# Altium PCB WhiteRHINO_0v1.PcbDoc (part 3 of 10) (continued)
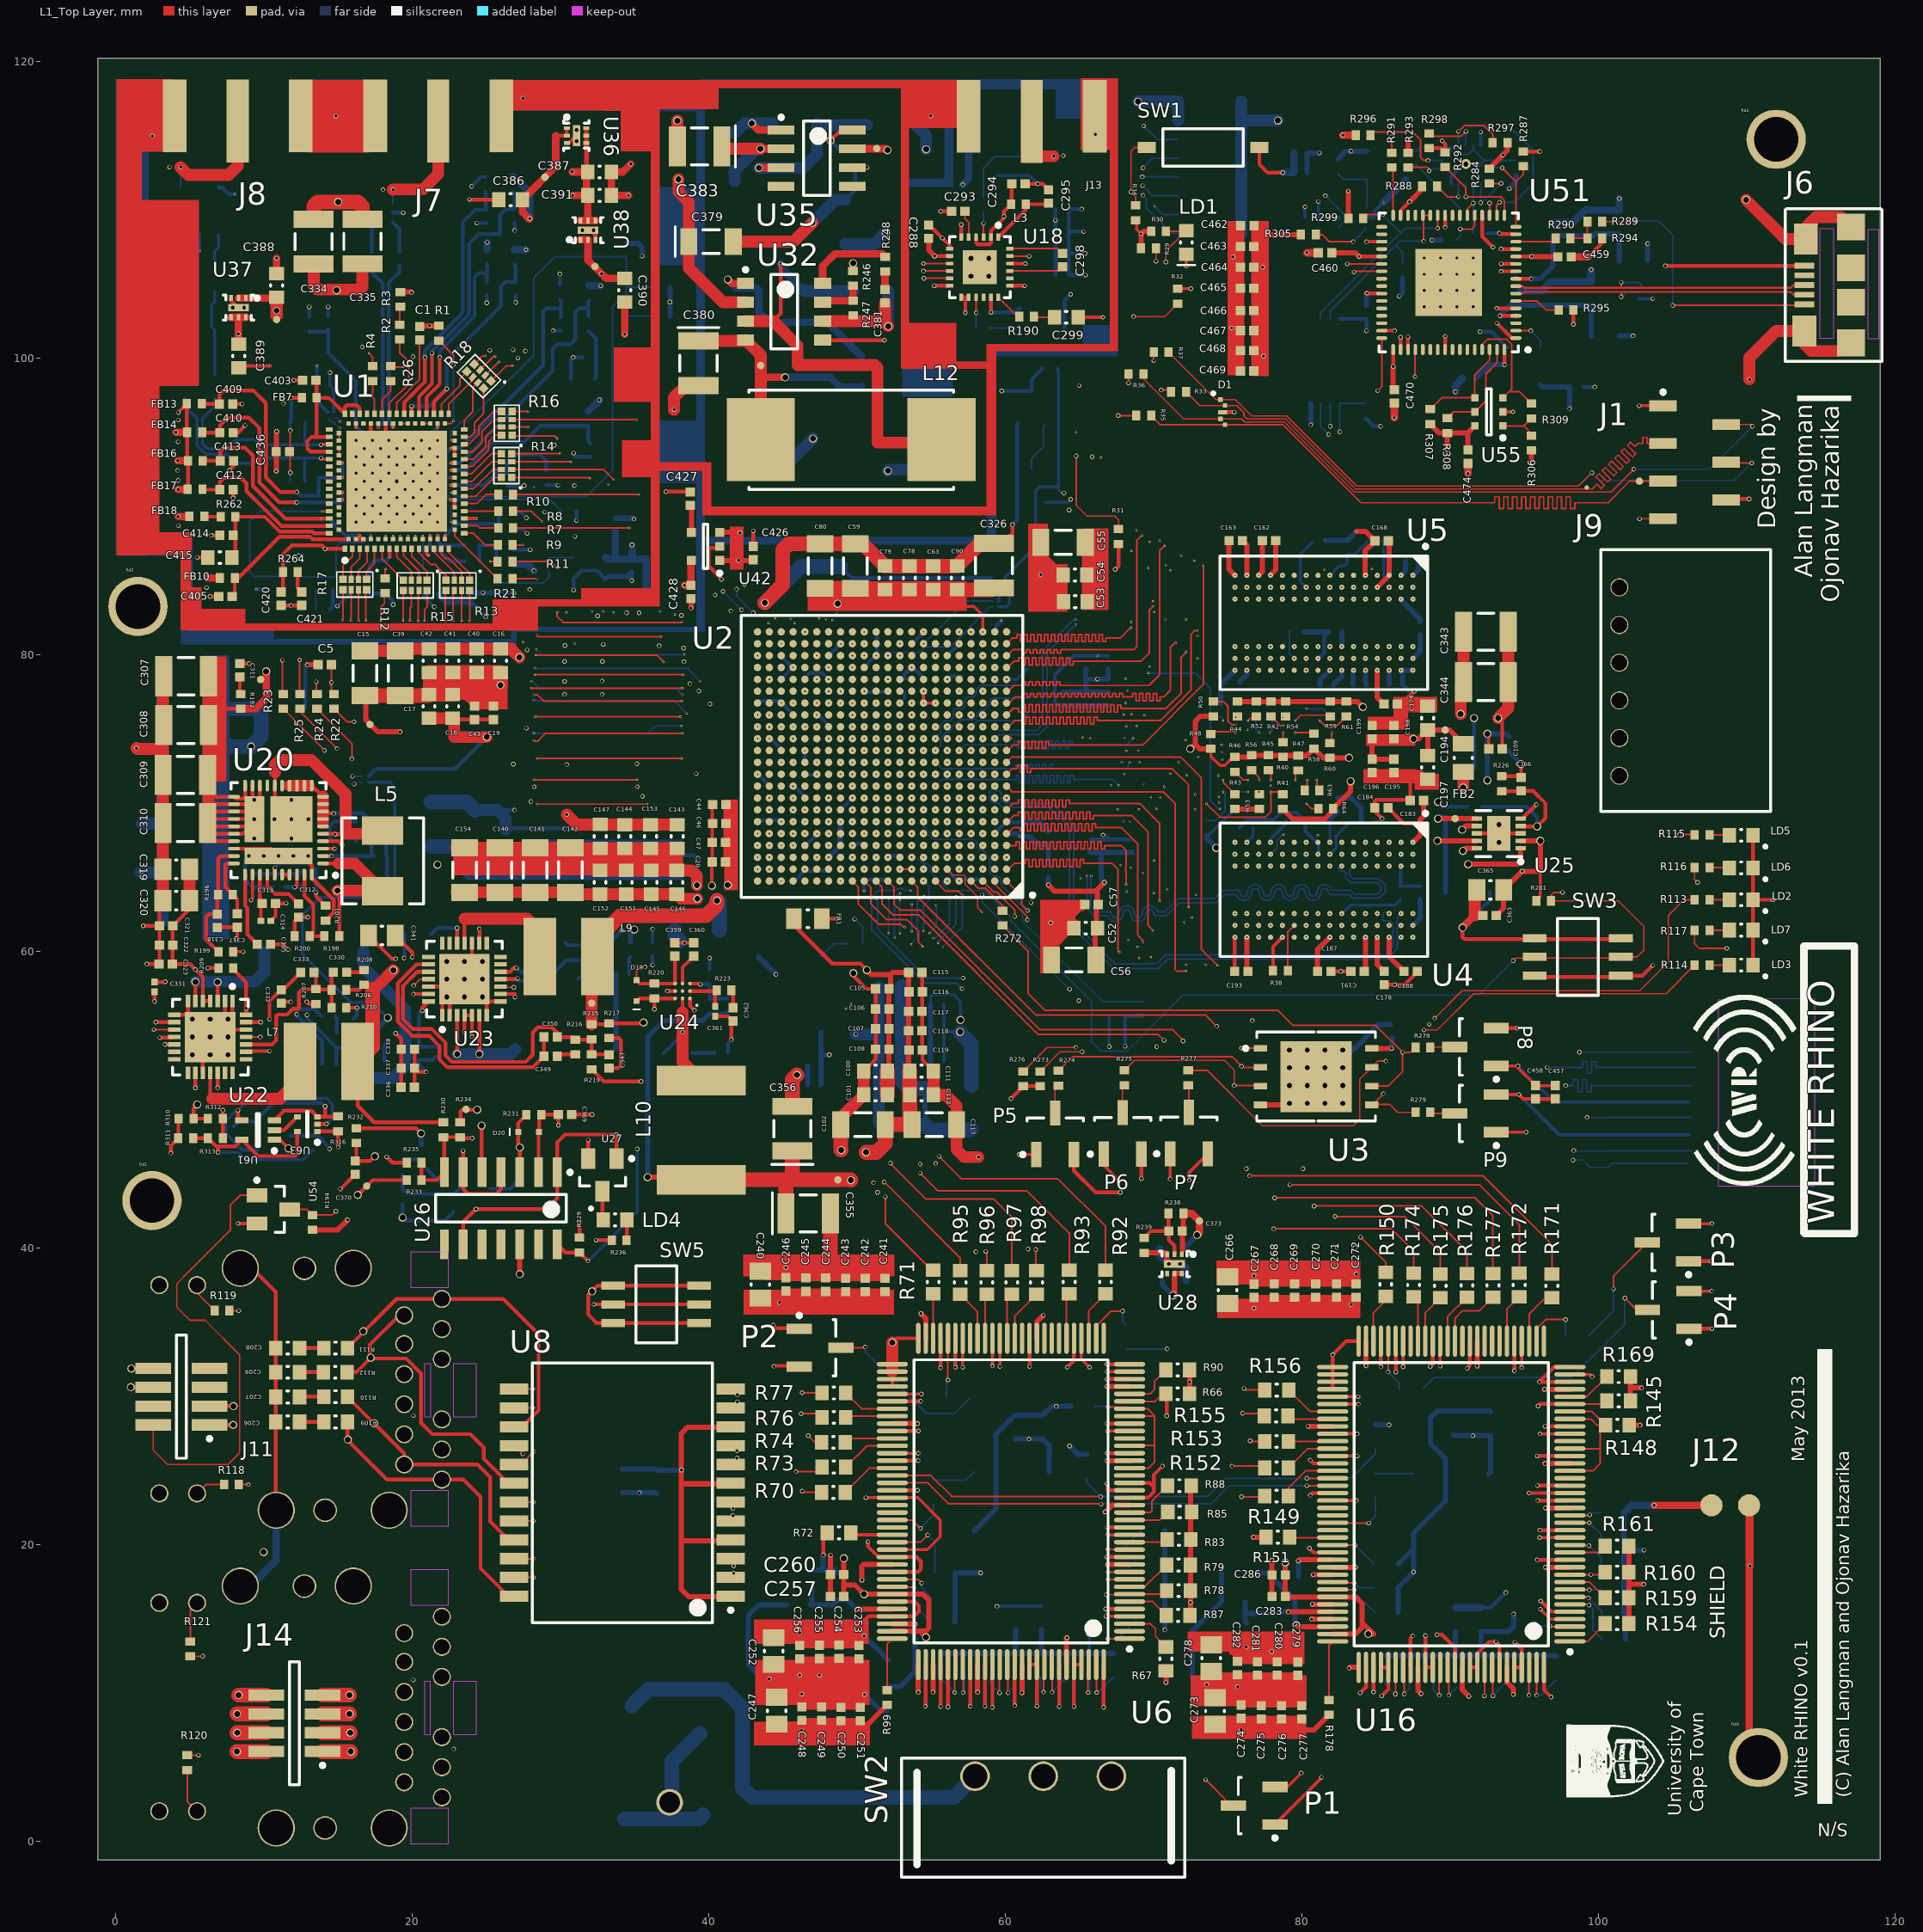
[diagram p0: L1_Top Layer view]
## Part data (continued)
R227 R239: library part MCR01MZPF1003, "100K ohm, 1%, 1/16W, 0402"
R228: library part ERJ-2RKF4302X, "43K ohm, 1% 1/10W, 0402"
R231 R232: library part RC0402JR-07100KL, "100K ohm, 5%, 1/16W, 0402"
R234: library part ERJ-2RKF1502X, "15K ohm, 1% 1/10W, 0402"
R237: library part CRCW0402402RFKED, "402 ohm, 1%, 1/16W, 0402"
R238: library part MCR01MZPF1273, "127K ohm, 1%, 1/16W, 0402"
R246: library part ERJ-2RKF7501X, "RES 7.50K OHM 1/10W 1% 0402 SMD"
R247: library part CRCW04024K99FKED, "4.99K ohm, 1% 1/16W, 0402"
R260: library part ERJ-2RKF1500X, "RES 150 OHM 1/10W 1% 0402 SMD"
R261: library part ERJ-2RKF10R0X, "RES 10.0 OHM 1/10W 1% 0402 SMD"
R262 R263: library part "\"RC0402JR-0722RL\"", "R 22 Ohm 5% 63mW 0402"
R264 R265: library part ERJ-2RKF2700X, "RES 270 OHM 1/10W 1% 0402 SMD"
R266: library part ERJ-2GEJ220X, "RES 22 OHM 1/10W 5% 0402 SMD"
R270 R271: library part RMCF0402FT80R6, "80.6 ohm, 1% 1/16W, 0402"
R272 R280: library part CRCW040224R0FKED, "24 ohm, 1% 1/16W, 0402"
R273 R274 R275 R276 R277 R278 R279 R281 R315 R316: "20K ohm, 5%, 1/16W, 0402"
R282 R283: "RES 20.0K OHM 1/10W 1% 0402 SMD"
R284 R288 R293 R297 R305: "100K ohm, 5%, 1/16W, 0402"
R285: "470 ohm, 5%, 1/16W, 0402"
R286 R287 R292 R296 R298: "4.99K ohm, 1% 1/16W, 0402"
R289 R299 R300: library part RC0402JR-074K7L, "4.7K ohm, 5%, 1/16W, 0402"
R290 R291: library part RC0402JR-071KL, "1K ohm, 5%, 1/16W, 0402"
R295: "12K ohm, 1% 1/10W, 0402"
R309: "2K ohm, 5% 1/16W, 0402"
R310 R311: library part ERJ-2RKF6041X, "RES 6.04K OHM 1/10W 1% 0402 SMD"
SW1: "SWITCH DIP 1-POS SLIDE SMD"
SW2: library part L102021ML04Q, "SWITCH SLIDE MINI SPDT R/A"
SW3 SW5: library part 1.14002.1110000, "SWITCH PUSH SPST-NO 0.1A 35V"
U1: "RF Transceiver LMS6002D, 120 pin DQFN package, 1.8V and 3.3V"
U2: "XC7Z020-1CLG484CES, Zynq-7000 All Programmable SoC"
U3: library part S25FL256SAGNFI001, "S25FL256SAGMFI00, Serial Flash Memory, 256Mbit, Low Voltage, 104MHz SPI Bus Interface, SOIC16 WIDE"
U4 U5: library part "MT41J128M16HA-15E:D TR", "MT41J128M16HA-15E:D, DDR3 SDRAM 4Gb x4, x8, x16, FBGA96"
U6 U16: library part DP83865DVH, "Ethernet PHY_TI_DP83865DVH, Gigabit Ethernet PHYTER,128 Lead Plastic Flat Pack"
U7 U17: library part VCC1-B2B-25M000, "VCC1-B2B-25M000, 25MHz, 3.3V +/- 10%, No tri-state, +/-50 ppm, -40 to +85 deg"
U8: library part H6062NLT, "Magnetics, GigabitTransformer, H6062NLT, Pulse"
U18: library part SE4110L, "High sensitivity / low power GPS and A-GPS,10 mA operating current with 2.7-3.3 V supply"
U19: library part 7Q-16.368MBG-T, "OSC TCXO 16.368 MHZ 3.3V SMD"
U20: library part MAX8686ETL+, "MAX8686ETL+, Buck Sync ADJ 25A, TQFP40-EP"
U21: library part NC7SZ125M5X, "NC7SZ125M5X, Tri-State Buffer UHS, SOT-23"
U22 U23: library part MAX15021ATI+, "MAX15021ATI, 4A/2A, 4MHz, Step-Down DC-DC Regulator, TQFN28"
U24: library part MAX15053EWL+T, "MAX15053EWL, 2A, Current-Mode Synchronous, Step-Down reg, WLP9"
U25: library part MAX1510ETB+T, "MAX1510ETB, Low-Voltage, DDR Linear Regulators, DFN10"
U26: library part LM339MX/NOPB, "Quad Comparator,14-SOP"
U27 U33 U34 U54 U62: library part FDV301N, "MOSFET N-CH 25V 220MA SOT-23"
U28: library part MIC94325YMTTR, "IC REG LDO ADJ .5A 6TDFN"
U32: library part LT1376CS8#PBF, "IC REG BUCK ADJ 1.5A 8SOIC"
U35: library part LT1507CS8-3.3#PBF, "IC REG BUCK 3.3V 1.5A 8SOIC"
U36 U37 U38: "IC REG LDO 1.8V .5A 6TDFN"
U40: library part B0322J5050AHF, "Ultra Low Profile 0805 Balun, 50 ohm unbalanced to 50  Balanced"
U42: library part LP3985IM5-2.8/NOPB, "LDO_TI_LP3985,150mA,CMOS, IC REG LDO 2.8V .15A SOT-23-5"
U43: library part SN74AVC1T45DCKR, "Level Translator, IC BUS TRANSCVR TRI-ST SC70-6"
U44: library part KT2520Y40000ECV28TBA, "TCXO_KYOCERA_KT2520Y40000ECV28TBA,40MHz,2.8V"
U46: library part TC1-1-13M, "RF Transformer, 50 Ohm, 4.5 to 3000 MHz, Leadless Surface Mount, AT224"
U48: "OSC 33.3333 MHZ 3.3V HCMOS SMD"
U49: "74LCX126BQX, quad buffer, LV N-Inv, DQFN14"
U50: "767-12-69, 12MHz 3.3V HCMOS Oscillator, HC5"
U51: library part FT4232HQ-REEL, "IC USB HS QUAD UART/SYNC 64-QFN"
U52: library part PCA9515APWR, "IC DUAL BIDIR BUS REPEAT 8-TSSOP"
U53: library part NC7WZ07P6X, "NC7WZ07, dual non-inverting buffer, SC-70-6 (SOT-363)"
U55: "93LC56BT-I/OT, EEPROM 2Kbit 3MHz, SOT23-6"
U56: library part TMP103AYFFR, "IC TEMP SENSOR DGTL SMBUS 4DSBGA, Address - A"
U57: library part TMP103BYFFR, "IC TEMP SENSOR DGTL SMBUS 4DSBGA, Address - B"
U58: library part TMP103CYFFR, "IC TEMP SENSOR DGTL SMBUS 4DSBGA, Address - C"
U61: library part SN74AUP1T08DCKR, "IC GATE POS-AND SLG 2INP SC70-5"
U63: library part SN74AHC1G32DRLR, "IC SNGL 2-IN POS-OR GATE SOT-5"

## Free pads (board coordinates)
  round 0.5 smd: ""(9.8,78.3) ""(10.875,102.575) ""(16.95,44.15) ""(17.175,75.275) ""(23.65,49.325) ""(28.975,112.175) ""(32.125,56.475) ""(32.35,106.15) ""(43.525,99.475) ""(48.725,44.575) ""(51.35,114.1) ""(73.1,41.8) ""(89.675,74.9) ""(90.35,68.925) ""(102.775,91.68)
  round 0.5 smd far side: ""(93.15,74.65)
  round 0.3 smd: ""(99.225,91.25)

## Via types
v1: diameter 0.15, hole 0.1, L1_Top Layer to L12_Bottom Layer, tented both sides, 705 vias
v2: diameter 0.3, hole 0.2, L1_Top Layer to L12_Bottom Layer, tented both sides, 589 vias
v3: diameter 0.3, hole 0.2, L1_Top Layer to L12_Bottom Layer, 145 vias
v4: diameter 0.55, hole 0.4, L1_Top Layer to L12_Bottom Layer, tented both sides, 89 vias
v5: diameter 0.15, hole 0.1, L1_Top Layer to L12_Bottom Layer, 73 vias
v6: diameter 0.4, hole 0.2, L1_Top Layer to L12_Bottom Layer, tented both sides, 61 vias
v7: diameter 0.66, hole 0.33, L1_Top Layer to L12_Bottom Layer, tented top, 41 vias
v8: diameter 0.3, hole 0.2, L1_Top Layer to L12_Bottom Layer, tented bottom, 27 vias
v9: diameter 0.55, hole 0.4, L1_Top Layer to L12_Bottom Layer, 20 vias
v10: diameter 0.5, hole 0.2, L1_Top Layer to L12_Bottom Layer, tented both sides, 16 vias
v11: diameter 0.5, hole 0.25, L1_Top Layer to L12_Bottom Layer, 13 vias
v12: diameter 0.4, hole 0.25, L1_Top Layer to L12_Bottom Layer, 9 vias
v13: diameter 0.5, hole 0.4, L1_Top Layer to L12_Bottom Layer, tented both sides, 1 vias
v14: diameter 0.55, hole 0.4, L1_Top Layer to L12_Bottom Layer, tented bottom, 1 vias

## Nets (pads, with @x,y where several pads share a name; then routed paths per layer and width w, separated by ;. In a path a pad name is that pad's centre, name@x,y a point inside that pad or via, vN(x,y) a via of type N, cw(c..) or ccw(c..) an arc to the next point about the centre after c; other vN are vias at no path point)
A_D_N: J2.10 U8.22 | length 17.9
  L1_Top Layer w0.115: U8.22@26.9,19.03 v2(28.17,19.03)
  L4_Critical w0.1: J2.10@22.02,28.42 22.02,28.213 22.675,27.558 24.817,27.558 25.575,26.8 25.575,25.767 cw(c25.434,25.767) 25.434,25.626 ccw(c25.434,25.376) 25.434,25.126 cw(c25.434,24.593) 25.966,24.593 cw(c25.434,24.593) 25.434,24.06 ccw(c25.434,23.81) 25.434,23.56 cw(c25.434,23.027) 25.966,23.027 cw(c25.434,23.027) 25.575,22.513 25.575,21.616 cw(c25.434,21.616) 25.514,21.5 ccw(c25.7,21.233) 25.514,20.967 cw(c25.434,20.85) 25.575,20.85 25.575,19.662 26.7,18.537 27.676,18.537 v2(28.17,19.03)
A_D_P: J2.11 U8.23 | length 17.9
  L1_Top Layer w0.115: U8.23@26.9,17.76 v2(28.19,17.76)
  L4_Critical w0.1: J2.11@22.02,26.39 22.02,26.62 22.675,27.275 24.7,27.275 25.292,26.683 25.292,25.889 ccw(c25.434,25.376) 25.434,24.843 cw(c25.434,24.593) 25.684,24.593 cw(c25.434,24.593) 25.434,24.343 ccw(c25.434,23.81) 25.434,23.277 cw(c25.434,23.027) 25.684,23.027 cw(c25.434,23.027) 25.434,22.777 ccw(c25.434,22.635) 25.292,22.635 25.292,21.684 ccw(c25.7,21.233) 25.292,20.783 25.292,19.544 26.583,18.254 27.696,18.254 v2(28.19,17.76)
A_VCC1V8: C100.2 C101.2 C102.2 C103.2 C104.2 C105.2 C106.2 C107.2 C108.2 C111.2 C112.2 C113.2 C114.2 C115.2 C116.2 C117.2 C118.2 C119.2 C247.2 C248.2 C249.2 C250.2 C251.2 C252.2 C253.2 C254.2 C255.2 C256.2 C273.2 C274.2 C275.2 C276.2 C277.2 C278.2 C279.2 C280.2 C281.2 C282.2 C355.1 C356.1 C357.2 C459.2 C460.2 C461.2 C470.2 FB1.2 L10.2 pad.@48.725,44.575 R143.2 R144.2 R188.2 R189.2 R222.2 U2.K9 U2.L10 U2.M9 U2.N10 U2.P9 U2.P11 U2.R10 U2.T9 U6.11 U6.19 U6.25 U6.35 U6.48 U6.63 U6.73 U6.92 U6.103 U6.105 U6.111 U6.117 U6.123 U16.11 U16.19 U16.25 U16.35 U16.48 U16.63 U16.73 U16.92 U16.103 U16.105 U16.111 U16.117 U16.123 U51.12 U51.37 U51.49 U51.64 | length 172.1
  L1_Top Layer w0.254: FB1.2@45.75,62.175 45.75,61.75 48.35,59.15 50.25,59.15 v4(50.675,58.725) ; v2(83.875,106.825) U51.37@85.4,106.825 ; v2(84.843,10.032) U16.105@84.843,11.699 ; v2(86.175,99.4) U51.49@86.175,100.55 ; v2(93.675,99.525) U51.64@93.675,100.55 ; U51.12@94.45,106.825 v2(95.5,106.825)
  L1_Top Layer w0.35: v4(35.9,44.75) 39.325,44.75 L10.2@39.5,44.575 ; C252.2@44.4,11.9 45.775,11.9 C256.2@46.15,12.275 ; C247.2@44.603,9.675 45.65,9.675 C248.2@46.3,9.025 ; v2(46.15,11.175) C256.2@46.15,12.275 ; v2(46.3,9.9) C248.2@46.3,9.025 ; v2(47.487,11.163) C255.2@47.487,12.275 ; C255.2@47.487,12.29 C255.2@47.487,12.275 ; C253.2@50.15,12.275 C255.2@47.487,12.275 ; C251.2@50.234,9.01 46.315,9.01 C248.2@46.3,9.025 ; v2(50.35,17.575) 50.35,18.525 50.462,18.637 U6.92@52.398,18.637 ; v4(50.675,58.725) 51,58.4 52.275,58.4 ; C100.2@52.07,51.9 52.17,52 C108.2@52.17,53.375 C107.2@52.17,54.75 C106.2@52.17,56.088 C105.2@52.17,57.45 52.275,57.555 52.275,58.4 ; U6.73@52.398,28.137 v2(54.087,28.137) ; C111.2@53.575,51.9 53.5,51.975 C118.2@53.5,54.625 C117.2@53.5,55.925 C115.2@53.5,58.55 52.425,58.55 52.275,58.4 ; v2(54.148,10.027) U6.103@54.148,11.887 ; v2(54.325,35.55) 54.648,35.227 U6.63@54.648,33.887 ; v2(55.148,10.027) U6.105@55.148,11.887 ; v2(58.148,10.023) U6.111@58.148,11.887 ; v2(61.148,9.977) U6.117@61.148,11.887 ; U6.48@62.148,33.887 62.148,34.998 v2(62.575,35.425) ; U6.123@64.148,11.887 64.148,13.673 v2(64.175,13.7) ; v2(66.75,22.175) 67.212,22.637 U6.19@68.398,22.637 ; v2(66.876,30.648) 66.887,30.637 U6.35@68.398,30.637 ; v2(66.887,25.637) U6.25@68.398,25.637 ; v2(66.925,18.625) 66.937,18.637 U6.11@68.398,18.637 ; v2(73.6,10.55) 73.9,10.85 C278.2@73.9,11.425 74.125,11.2 C282.2@75.675,11.2 ; C273.2@74.15,9.65 75.422,9.65 C274.2@75.911,9.161 79.964,9.161 C277.2@80,9.125 ; v2(75.675,10.4) C282.2@75.675,11.2 ; C279.2@79.736,11.164 79.7,11.2 C282.2@75.675,11.2 ; v2(80.449,27.949) U16.73@82.093,27.949 ; C460.2@82.025,107.075 83.625,107.075 v2(83.875,106.825) ; U16.92@82.093,18.449 v2(83.624,18.449) ; v2(83.2,11.65) 83.249,11.699 U16.103@83.843,11.699 ; v2(84.343,32.032) U16.63@84.343,33.699 ; v2(86.175,99.4) 86.175,97.925 C470.2@86.25,97.85 ; U16.111@87.843,11.699 87.843,10.132 v2(88.05,9.925) ; U16.117@90.843,11.699 90.843,10.182 v2(91.275,9.75) ; v2(91.843,32.007) U16.48@91.843,33.699 ; U16.123@93.843,11.699 93.843,10.698 94.275,10.266 v2(94.275,9.875) ; v2(95.5,106.825) 95.525,106.8 C459.2@97.275,106.8 ; v2(96.374,30.449) U16.35@98.093,30.449 ; v2(96.399,25.449) U16.25@98.093,25.449 ; v2(96.449,18.449) U16.11@98.093,18.449 ; v2(96.449,22.449) U16.19@98.093,22.449 ; C256.2@46.15,12.275 C255.2@47.487,12.275
  L1_Top Layer w1: L10.2@39.5,44.575 45.525,44.575 ; C355.1@45.225,42.3 45.225,44.275 45.525,44.575 ; C356.1@45.65,46.525 45.65,44.7 45.525,44.575 ; v4(49.6,44.55) 49.575,44.575 45.525,44.575 ; v4(50.625,46.425) 51.325,46.425 51.92,47.02 C102.2@51.92,48.3 C113.2@53.725,48.3 53.575,48.45 C112.2@53.575,50.3 C111.2@53.575,51.9 ; C101.2@52.07,50.3 C100.2@52.07,51.9
  L12_Bottom Layer w0.254: R222.2@40.075,55.75 41.125,55.75 C357.2@41.275,55.9
  L12_Bottom Layer w0.35: v4(35.9,44.75) 35.9,54.225 36.975,55.3 39.625,55.3 R222.2@40.075,55.75 ; v2(44.1,10.925) 43.65,10.925 42.675,11.9 42.675,15.175 43.425,15.925 R143.2@45.3,15.925 ; v2(50.525,9.875) 51.6,8.8 R144.2@52.025,8.8 ; v2(73.6,10.55) 73.125,10.55 72.625,11.05 72.625,14.15 R188.2@74.6,16.125 R189.2@74.6,18.05 ; C461.2@91.75,98.6 92.675,99.525 v2(93.675,99.525)
  other v1: 53.704,71.914 52.904,72.714 53.704,73.514 52.904,74.314 52.104,75.114 53.704,75.114 52.904,75.914 53.704,76.714
A_VCC2V5: C257.2 C260.2 C283.2 C286.2 C371.2 C373.2 pad.@73.1,41.8 R238.2 U6.96 U6.101 U16.96 U16.101 U28.1 | length 32.7
  L1_Top Layer w0.35: C257.2@49.125,16.475 49.125,17.25 ; v4(49.125,19.05) C260.2@49.125,17.95 49.125,17.25 ; U6.101@52.398,14.137 54.25,14.137 ; v4(54.662,13.725) 54.25,14.137 ; 71.95,39.85 C373.2@71.95,41.125 72.025,41.2 R238.2@72.025,42.3 ; v4(78.9,18.775) C286.2@78.9,17.925 C283.2@78.9,16.475 78.926,16.449 U16.96@82.093,16.449 83.626,16.449 84.075,16 84.075,14.725 ; U16.101@82.093,13.949 83.624,13.949 84.075,14.4 84.075,14.725 ; v4(84.5,13.95) 84.85,13.95 84.075,14.725 ; 49.125,17.25 49.875,17.25 v4(50.488,16.637) U6.96@52.398,16.637 54.463,16.637 54.85,16.25 54.85,14.35 54.637,14.137 54.25,14.137
  L1_Top Layer w0.5: R238.2@72.025,42.3 72.6,42.3 pad.@73.1,41.8 73.1,41 v4(72.95,40.85)
  L12_Bottom Layer w0.35: C371.2@72.025,39.925 v4(72.95,40.85)
ACTIVITY_LED_ETH1: R78.2 R119.2 U6.7 | length 82.2
  L1_Top Layer w0.1: v3(66.825,16.6) 68.361,16.6 U6.7@68.398,16.637
  L1_Top Layer w0.115: R119.2@7.7,35.75 v3(8.325,35.75) ; U6.7@68.398,16.637 70.662,16.637 R78.2@70.9,16.875
  L9_Critical w0.1: 65.964,16.4 66.164,16.6 v3(66.825,16.6)
  L9_Critical w0.115: v3(8.325,35.75) 7.512,34.938 7.512,24.638 8.825,23.325 9.575,23.325 10,23.75 14.575,23.75 17.925,20.4 24.15,20.4 28.015,16.535 33.74,16.535 37.198,13.077 62.641,13.077 65.964,16.4
ACTIVITY_LED_ETH2: R121.2 R157.2 U16.7 | length 109.6
  L1_Top Layer w0.115: R121.2@5.05,12.45 v3(5.9,12.45) ; U16.7@98.093,16.449 99.276,16.449 v2(99.35,16.375)
  L9_Critical w0.115: v3(5.9,12.45) 5.9,13.425 6.525,14.05 6.525,19.35 7.55,20.375 15.829,20.375 17.229,18.975 23.914,18.975 30.714,12.175 95.925,12.175 98.613,14.862 98.613,15.638 v2(99.35,16.375)
  L12_Bottom Layer w0.115: v2(99.35,16.375) 100.25,15.475 R157.2@100.25,15.25
AD_JTAG_EN: R286.1 R303.1 U21.1 U49.1 U49.4 U49.10 U49.13 U51.22 | length 14.8
  L1_Top Layer w0.115: U51.22@91.175,109.6 91.175,110.025 v2(91.575,110.425)
  L12_Bottom Layer w0.115: U21.1@87,113.925 87.75,113.925 88,114.175 90.046,114.175 90.075,114.204 90.075,114.057 90.407,113.725 91.275,113.725 91.575,114.025 U49.13@91.575,114.057 ; R286.1@91.5,108.4 91.575,108.475 v2(91.575,110.425) 91.575,112.127 91.933,112.485 91.933,112.9 U49.1@92.332,113.3 ; U49.13@91.575,114.35 U49.13@91.575,114.057 ; R303.1@94.45,113.3 U49.1@92.332,113.3 ; U49.13@91.575,114.057 U49.1@92.332,113.3
AD_TCLK: R287.2 U49.2 U51.16 | length 6.5
  L1_Top Layer w0.115: v2(93.525,112.8) 94.45,111.875 ; U51.16@94.45,108.825 94.45,111.875 ; R287.2@94.95,112.9 94.95,112.375 94.45,111.875
  L12_Bottom Layer w0.115: U49.2@92.625,112.8 v2(93.525,112.8)
AD_TDI: R285.2 R297.1 U49.11 | length 6.7
  L1_Top Layer w0.115: v2(90.575,115.25) 90.975,115.65 92.3,115.65 92.875,115.075 R297.1@92.875,114.5
  L12_Bottom Layer w0.115: U49.11@90.575,114.35 v2(90.575,115.25) 90.95,115.625 R285.2@92.975,115.625
AD_TDO: R292.2 U49.5 U51.17 | length 7.2
  L1_Top Layer w0.115: R292.2@89.675,112.85 91.075,111.45 v2(91.075,110.85) 93.41,110.85 93.675,110.585 U51.17@93.675,109.6
  L12_Bottom Layer w0.115: v2(91.075,110.85) U49.5@91.075,111.75
AD_TMS: R296.2 U49.9 U51.19 | length 12.6
  L1_Top Layer w0.115: R296.2@84.65,115 84.858,115.208 87.492,115.208 88.025,114.675 88.025,113.5 88.225,113.3 v2(88.525,113.3) ; U51.19@92.675,109.6 v2(92.675,110.425)
  L3_Critical w0.115: v2(88.525,113.3) 89.8,113.3 v2(92.675,110.425)
  L12_Bottom Layer w0.115: v2(88.525,113.3) U49.9@89.525,113.3
AD_TRST: R302.1 U21.2 U51.21 | length 8.9
  L1_Top Layer w0.115: v2(90.7,108.675) 91.475,108.675 91.675,108.875 U51.21@91.675,109.6
  L12_Bottom Layer w0.115: U21.2@87,112.975 87.775,112.975 90.7,110.05 v2(90.7,108.675) 90.7,108.225 R302.1@90.4,107.925
ANTSW_CTL_1: J10.2 U2.F18 | length 56.8
  L10_Critical w0.1: 47,71.65 47,72.125 47.125,72.25 47.55,72.25 47.7,72.4 47.7,72.639
  L10_Critical w0.115: v5(46.504,68.714) 47,69.21 47,71.65 ; v5(47.45,82.425) 47.45,81.925 47.7,81.675 47.7,72.639
  L7_Non-Critical w0.1: v5(47.45,82.425) 47.45,82.125 47.825,81.75 50.478,81.75 51.35,82.622 51.35,85.5 68.325,102.475 68.799,102.475 69.2,102.876 69.2,107.667 69.725,108.192 69.725,108.919 70.1,109.294 v5(70.1,110.225)
  L12_Bottom Layer w0.115: v5(70.1,110.225) 70.1,110.2 70.65,109.65 J10.2@71.675,109.65
ANTSW_CTL_2: J10.1 U2.E18 | length 59.3
  L10_Critical w0.115: v5(46.504,67.914) 46.893,67.525 48.246,67.525 48.64,67.919 48.64,82.69 v5(48.65,82.7)
  L7_Non-Critical w0.1: v5(48.65,82.7) 49,82.35 50.229,82.35 50.729,82.85 50.729,85.813 67.975,103.059 67.975,103.065 68.6,103.69 68.6,108.642 69.275,109.317 69.275,110.925 v3(69.3,110.95)
  L12_Bottom Layer w0.1: v3(69.3,110.95) 69.525,110.725 69.525,110.65
  L12_Bottom Layer w0.115: 69.525,110.65 69.525,110.107 71.252,108.38 J10.1@71.675,108.38
B_D_N: J2.5 U8.19 | length 17.7
  L1_Top Layer w0.115: U8.19@26.9,22.84 28.175,22.84 28.215,22.84 28.205,22.85 v2(28.175,22.85)
  L3_Critical w0.1: v3(20.101,28.677) 20.448,28.677 21.55,27.575 24.35,27.575 24.858,27.067 24.858,25.992 cw(c24.717,25.992) 24.717,25.85 ccw(c24.717,25.6) 24.717,25.351 cw(c24.717,24.817) 25.25,24.817 cw(c24.717,24.817) 24.717,24.284 ccw(c24.717,24.034) 24.717,23.784 cw(c24.717,23.643) 24.858,23.643 24.858,22.742 25.25,22.35 25.55,22.35 25.552,22.352 27.677,22.352 v2(28.175,22.85)
  L4_Critical w0.1: J2.5@19.48,27.409 19.48,28.056 v3(20.101,28.677)
B_D_P: J2.4 U8.20 | length 17.4
  L1_Top Layer w0.115: U8.20@26.9,21.57 v2(28.18,21.57)
  L3_Critical w0.1: J2.4@19.48,29.439 19.48,28.756 19.961,28.275 20.45,28.275 21.433,27.292 24.233,27.292 24.575,26.95 24.575,26.114 ccw(c24.717,25.6) 24.717,25.067 cw(c24.717,24.817) 24.967,24.817 cw(c24.717,24.817) 24.717,24.567 ccw(c24.717,24.034) 24.575,23.521 24.575,22.625 25.133,22.067 25.667,22.067 25.669,22.069 27.681,22.069 v2(28.18,21.57)
C_D_N: J2.2 U8.16 | length 18.8
  L1_Top Layer w0.115: U8.16@26.9,26.65 27.454,26.096 v2(27.473,26.096)
  L4_Critical w0.1: J2.2@19.48,33.499 19.48,32.945 19.85,32.575 20.617,32.575 20.742,32.7 20.742,33.067 20.825,33.15 21.35,33.675 24.87,33.675 26.212,32.333 26.212,30.513 29.233,27.492 29.233,26.258 28.838,25.863 27.706,25.863 v2(27.473,26.096)
C_D_P: J2.3 U8.17 | length 17.8
  L1_Top Layer w0.115: U8.17@26.9,25.38 27.333,25.38 v2(28.199,26.246)
  L3_Critical w0.1: v2(28.199,26.246) v2@28.199,26.249
  L4_Critical w0.1: J2.3@19.48,31.469 19.48,31.922 19.85,32.292 20.734,32.292 21.025,32.583 21.025,32.95 21.467,33.392 24.753,33.392 25.929,32.216 25.929,30.396 28.95,27.375 28.95,26.375 28.75,26.175 28.269,26.175 v2(28.199,26.246)
CLK_OUT: U2.W16 U18.9 | length 39.7
  L1_Top Layer w0.115: v8(54.5,106.35) U18.9@56.275,106.35
  L3_Critical w0.115: v1(48.104,79.114) 47.836,79.114 47.45,79.5 45.525,79.5 45.305,79.72 45.305,91.305 48.274,94.274 48.132,94.415 48.355,94.638 48.497,94.497 48.638,94.355 48.861,94.578 48.719,94.719 48.578,94.861 48.801,95.084 49.084,94.801 49.306,95.023 49.165,95.165 49.023,95.306 49.246,95.529 49.529,95.246 49.752,95.469 49.61,95.61 49.469,95.752 49.692,95.974 49.833,95.833 49.974,95.692 50.197,95.914 50.056,96.056 49.914,96.197 50.137,96.42 50.279,96.279 50.42,96.137 50.643,96.36 50.501,96.501 50.36,96.643 50.583,96.865 50.724,96.724 53.625,99.625 53.625,105.475 v8(54.5,106.35)
CLOCK_IN: R100.2 U6.86 | length 3.1
  L1_Top Layer w0.115: 53.475,21.637 53.738,21.637 v2(54.3,21.075)
  L12_Bottom Layer w0.115: v2(54.3,21.075) 55.175,21.95 R100.2@55.175,22.725
CT1: J2.12 J11.8 R109.2 U8.24 | length 37.7
  L1_Top Layer w0.254: v9(1.075,31.85) 1.08,31.855 J11.8@2.55,31.855 ; v9@15.65,27.025 18.315,24.36 J2.12@22.02,24.36 23.466,24.36 24.625,23.201 24.625,18.379 26.514,16.49 U8.24@26.9,16.49 ; v9@15.65,27.05 R109.2@15.65,28.25
  L7_Non-Critical w0.254: v9(1.075,31.85) 5.875,27.05 v9(15.675,27.05)
CT2: J2.6 J11.6 R110.2 U8.21 | length 37.7
  L1_Top Layer w0.254: v9(1.035,30.585) J11.6@2.55,30.585 ; R110.2@15.65,29.95 19.48,26.12 J2.6@19.48,25.379 24.421,25.379 25.275,24.525 25.275,21.539 26.514,20.3 U8.21@26.9,20.3
  L7_Non-Critical w0.254: v9(1.035,30.585) 5.072,26.548 15.883,26.548 17.45,28.115 v9(17.45,28.175)
CT3: J2.1 J11.1 R112.2 U8.18 | length 34.3
  L1_Top Layer w0.254: J11.1@6.35,28.045 v9(7.945,28.045) ; R112.2@15.625,31.6 16.25,31.6 v9@17.175,32.525 ; v9@17.175,32.575 17.175,33.475 19.129,35.429 J2.1@19.48,35.429 ; v9@17.225,32.525 19.608,32.525 20.617,31.516 20.617,28.183 21.375,27.425 23.95,27.425 24.85,26.525 24.85,25.774 26.514,24.11 U8.18@26.9,24.11
  L7_Non-Critical w0.254: v9(7.945,28.045) 12.695,28.045 v9(17.225,32.575)
CT4: J2.7 J11.3 R111.2 U8.15 | length 34.9
  L1_Top Layer w0.254: J11.3@6.35,29.315 v9(7.965,29.315) ; R111.2@15.65,33.225 18.965,36.54 26.16,36.54 28.542,34.158 28.542,29.034 27.428,27.92 U8.15@26.9,27.92
  L7_Non-Critical w0.254: v9(7.965,29.315) 11.69,29.315 v9(16.725,34.35)
D_D_N: J2.9 U8.13 | length 17.4
  L1_Top Layer w0.115: U8.13@26.9,30.46 v2(28.16,30.46)
  L3_Critical w0.1: J2.9@22.02,32.48 22.915,33.375 25.35,33.375 ccw(c25.35,33.517) 25.466,33.436 cw(c25.733,33.25) 26,33.436 ccw(c26.499,33.783) 26.998,33.436 cw(c27.265,33.25) 27.532,33.436 ccw(c28.031,33.783) 28.53,33.436 cw(c28.797,33.25) 29.064,33.436 ccw(c29.563,33.783) 30.014,33.375 30.55,33.375 31.075,32.85 31.075,30.525 30.517,29.967 29.192,29.967 28.654,29.967 v2(28.16,30.46)
D_D_P: J2.8 U8.14 | length 18.3
  L1_Top Layer w0.115: U8.14@26.9,29.19 v2(28.165,29.19)
  L3_Critical w0.1: J2.8@22.02,34.51 22.872,33.658 24.325,33.658 25.282,33.658 cw(c25.733,33.25) 26.232,33.597 ccw(c26.499,33.783) 26.766,33.597 cw(c27.265,33.25) 27.764,33.597 ccw(c28.031,33.783) 28.298,33.597 cw(c28.797,33.25) 29.296,33.597 ccw(c29.563,33.783) 29.83,33.597 cw(c29.946,33.517) 29.946,33.658 30.667,33.658 31.358,32.967 31.358,30.408 30.634,29.684 29.192,29.684 28.659,29.684 v2(28.165,29.19)
DATA_EN: U2.U16 U18.23 | length 39.3
  L1_Top Layer w0.115: U18.23@60.325,106.85 v2(61.625,106.85)
  L3_Critical w0.115: v1(48.104,77.514) 48.5,77.91 48.5,79.25 48.25,79.5 47.925,79.5 47.725,79.7 47.725,80 47.425,80.3 46.3,80.3 46.1,80.5 46.1,89.05 61.85,104.8 61.85,106.625 v2(61.625,106.85)
DDR3_A0: R57.1 U2.M4 U4.N3 U5.N3 | length 50.3
  L10_Critical w0.115: v1(57.704,73.514) 58.065,73.875 60.665,73.875 60.665,74.114 60.895,74.114 60.895,73.636 61.125,73.636 61.125,74.114 61.355,74.114 61.355,73.636 61.585,73.636 61.585,74.114 61.815,74.114 61.815,73.636 62.045,73.636 62.045,74.114 62.275,74.114 62.275,73.636 62.505,73.636 62.505,74.114 62.735,74.114 62.735,73.636 62.965,73.636 62.965,74.114 63.195,74.114 63.195,73.636 63.425,73.636 63.425,74.114 63.655,74.114 63.655,73.636 63.885,73.636 63.885,74.114 64.115,74.114 64.115,73.636 64.345,73.636 64.345,74.114 64.575,74.114 64.575,73.636 64.805,73.636 64.805,74.114 65.035,74.114 65.035,73.636 65.265,73.636 65.265,73.875 71.8,73.875 72.15,74.225 v1(72.176,74.225) ; v1(77.9,74.725) 78.325,74.725 ; v1(77.904,83.725) 78.325,83.304 78.325,74.725 ; v1(77.912,65.723) 78.325,66.136 78.325,74.725
  L9_Critical w0.115: v1(72.176,74.225) 72.198,74.248 75.02,74.248 75.19,74.078 77.253,74.078 v1(77.9,74.725)
  L12_Bottom Layer w0.115: v1(77.9,74.725) 78.025,74.85 R57.1@78.025,75.825
DDR3_A1: R56.1 U2.M5 U4.P7 U5.P7 | length 50.1
  L1_Top Layer w0.115: R56.1@76.625,72.2 77.125,71.7 v1(77.125,71.525)
  L4_Critical w0.115: v1(77.101,62.521) 77.112,62.521 77.54,62.949 77.54,71.519 ; v1(77.104,80.525) 77.54,80.089 77.54,71.519 ; v1(77.125,71.525) 77.534,71.525 77.54,71.519
  L10_Critical w0.115: v1(68.65,74.35) 71.83,74.35 72.037,74.558 72.314,74.558 74.376,72.495 v1(74.376,71.825)
  L9_Critical w0.115: v1(74.376,71.825) 74.401,71.85 74.555,71.85 74.562,71.858 76.793,71.858 v1(77.125,71.525)
  L12_Bottom Layer w0.115: v1(56.904,73.514) 57.29,73.9 60.64,73.9 60.64,74.137 60.87,74.137 60.87,73.663 61.1,73.663 61.1,74.137 61.33,74.137 61.33,73.663 61.56,73.663 61.56,74.137 61.79,74.137 61.79,73.663 62.02,73.663 62.02,74.137 62.25,74.137 62.25,73.663 62.48,73.663 62.48,74.137 62.71,74.137 62.71,73.663 62.94,73.663 62.94,74.137 63.17,74.137 63.17,73.663 63.4,73.663 63.4,74.137 63.63,74.137 63.63,73.663 63.86,73.663 63.86,74.137 64.09,74.137 64.09,73.663 64.32,73.663 64.32,74.137 64.55,74.137 64.55,73.9 68.2,73.9 v1(68.65,74.35)
DDR3_A2: R55.1 U2.K4 U4.P3 U5.P3 | length 50.4
  L4_Critical w0.115: v1(57.704,71.914) 57.704,71.929 58.075,72.3 60.59,72.3 60.59,72.543 60.82,72.543 60.82,72.3 61.05,72.3 61.05,72.543 61.28,72.543 61.28,72.3 61.51,72.3 61.51,72.543 61.74,72.543 61.74,72.3 61.97,72.3 61.97,72.543 62.2,72.543 62.2,72.3 62.43,72.3 62.43,72.543 62.66,72.543 62.66,72.3 62.89,72.3 62.89,72.543 63.12,72.543 63.12,72.3 63.35,72.3 63.35,72.543 63.58,72.543 63.58,72.3 63.81,72.3 63.81,72.543 64.04,72.543 64.04,72.3 64.27,72.3 64.27,72.543 64.5,72.543 64.5,72.3 64.73,72.3 64.73,72.543 64.96,72.543 64.96,72.3 65.19,72.3 65.19,72.543 65.42,72.543 65.42,72.3 65.65,72.3 65.65,72.543 65.88,72.543 65.88,72.3 66.11,72.3 66.11,72.543 66.34,72.543 66.34,72.057 66.57,72.057 66.57,72.543 66.8,72.543 66.8,72.057 67.03,72.057 67.03,72.543 67.26,72.543 67.26,72.057 67.49,72.057 67.49,72.3 71.3,72.3 v1(71.725,72.725)
  L10_Critical w0.115: v1(77.104,83.725) 77.55,83.279 77.55,74.725 ; v1(77.106,65.722) 77.55,66.166 77.55,74.725 ; v1(77.125,74.725) 77.55,74.725
  L9_Critical w0.115: v1(71.725,72.725) 71.725,74.3 71.988,74.563 75.15,74.563 75.32,74.393 76.793,74.393 v1(77.125,74.725)
  L12_Bottom Layer w0.115: R55.1@76.925,75.825 76.925,74.925 v1(77.125,74.725)
DDR3_A3: R54.1 U2.L4 U4.N2 U5.N2 | length 49.9
  L10_Critical w0.115: v1(57.704,72.714) 58.09,73.1 60.92,73.1 60.92,72.87 61.15,72.87 61.15,73.1 61.38,73.1 61.38,72.87 61.61,72.87 61.61,73.1 61.84,73.1 61.84,72.87 62.07,72.87 62.07,73.1 62.3,73.1 62.3,72.87 62.53,72.87 62.53,73.1 62.76,73.1 62.76,72.87 62.99,72.87 62.99,73.1 63.22,73.1 63.22,72.87 63.45,72.87 63.45,73.1 63.68,73.1 63.68,72.87 63.91,72.87 63.91,73.1 64.14,73.1 64.14,72.87 64.37,72.87 64.37,73.1 64.6,73.1 64.6,72.87 64.83,72.87 64.83,73.1 65.06,73.1 65.06,72.87 65.29,72.87 65.29,73.1 65.52,73.1 65.52,72.87 65.75,72.87 65.75,73.1 68.825,73.1 69,73.275 v1(69,73.525) ; v1(77.904,84.525) 78.279,84.15 78.9,84.15 79.15,83.9 79.15,75.525 ; v1(78.725,75.75) 78.95,75.525 79.15,75.525 ; v1(78.791,67.848) 79.15,68.207 79.15,75.525
  L9_Critical w0.115: v1(69,73.525) 69,73.65 69.208,73.858 69.208,75.237 69.733,75.762 69.733,76.038 69.715,76.056 69.715,76.795 70.675,76.795 70.683,76.803 76.013,76.803 77.023,75.793 77.023,75.775 77.048,75.75 v1(78.725,75.75)
  L12_Bottom Layer w0.115: v1(77.911,66.516) 78.325,66.93 78.325,67.475 78.698,67.848 v1(78.791,67.848)